# Altium PCB PCB_IC.PcbDoc (part 2 of 4) (continued)
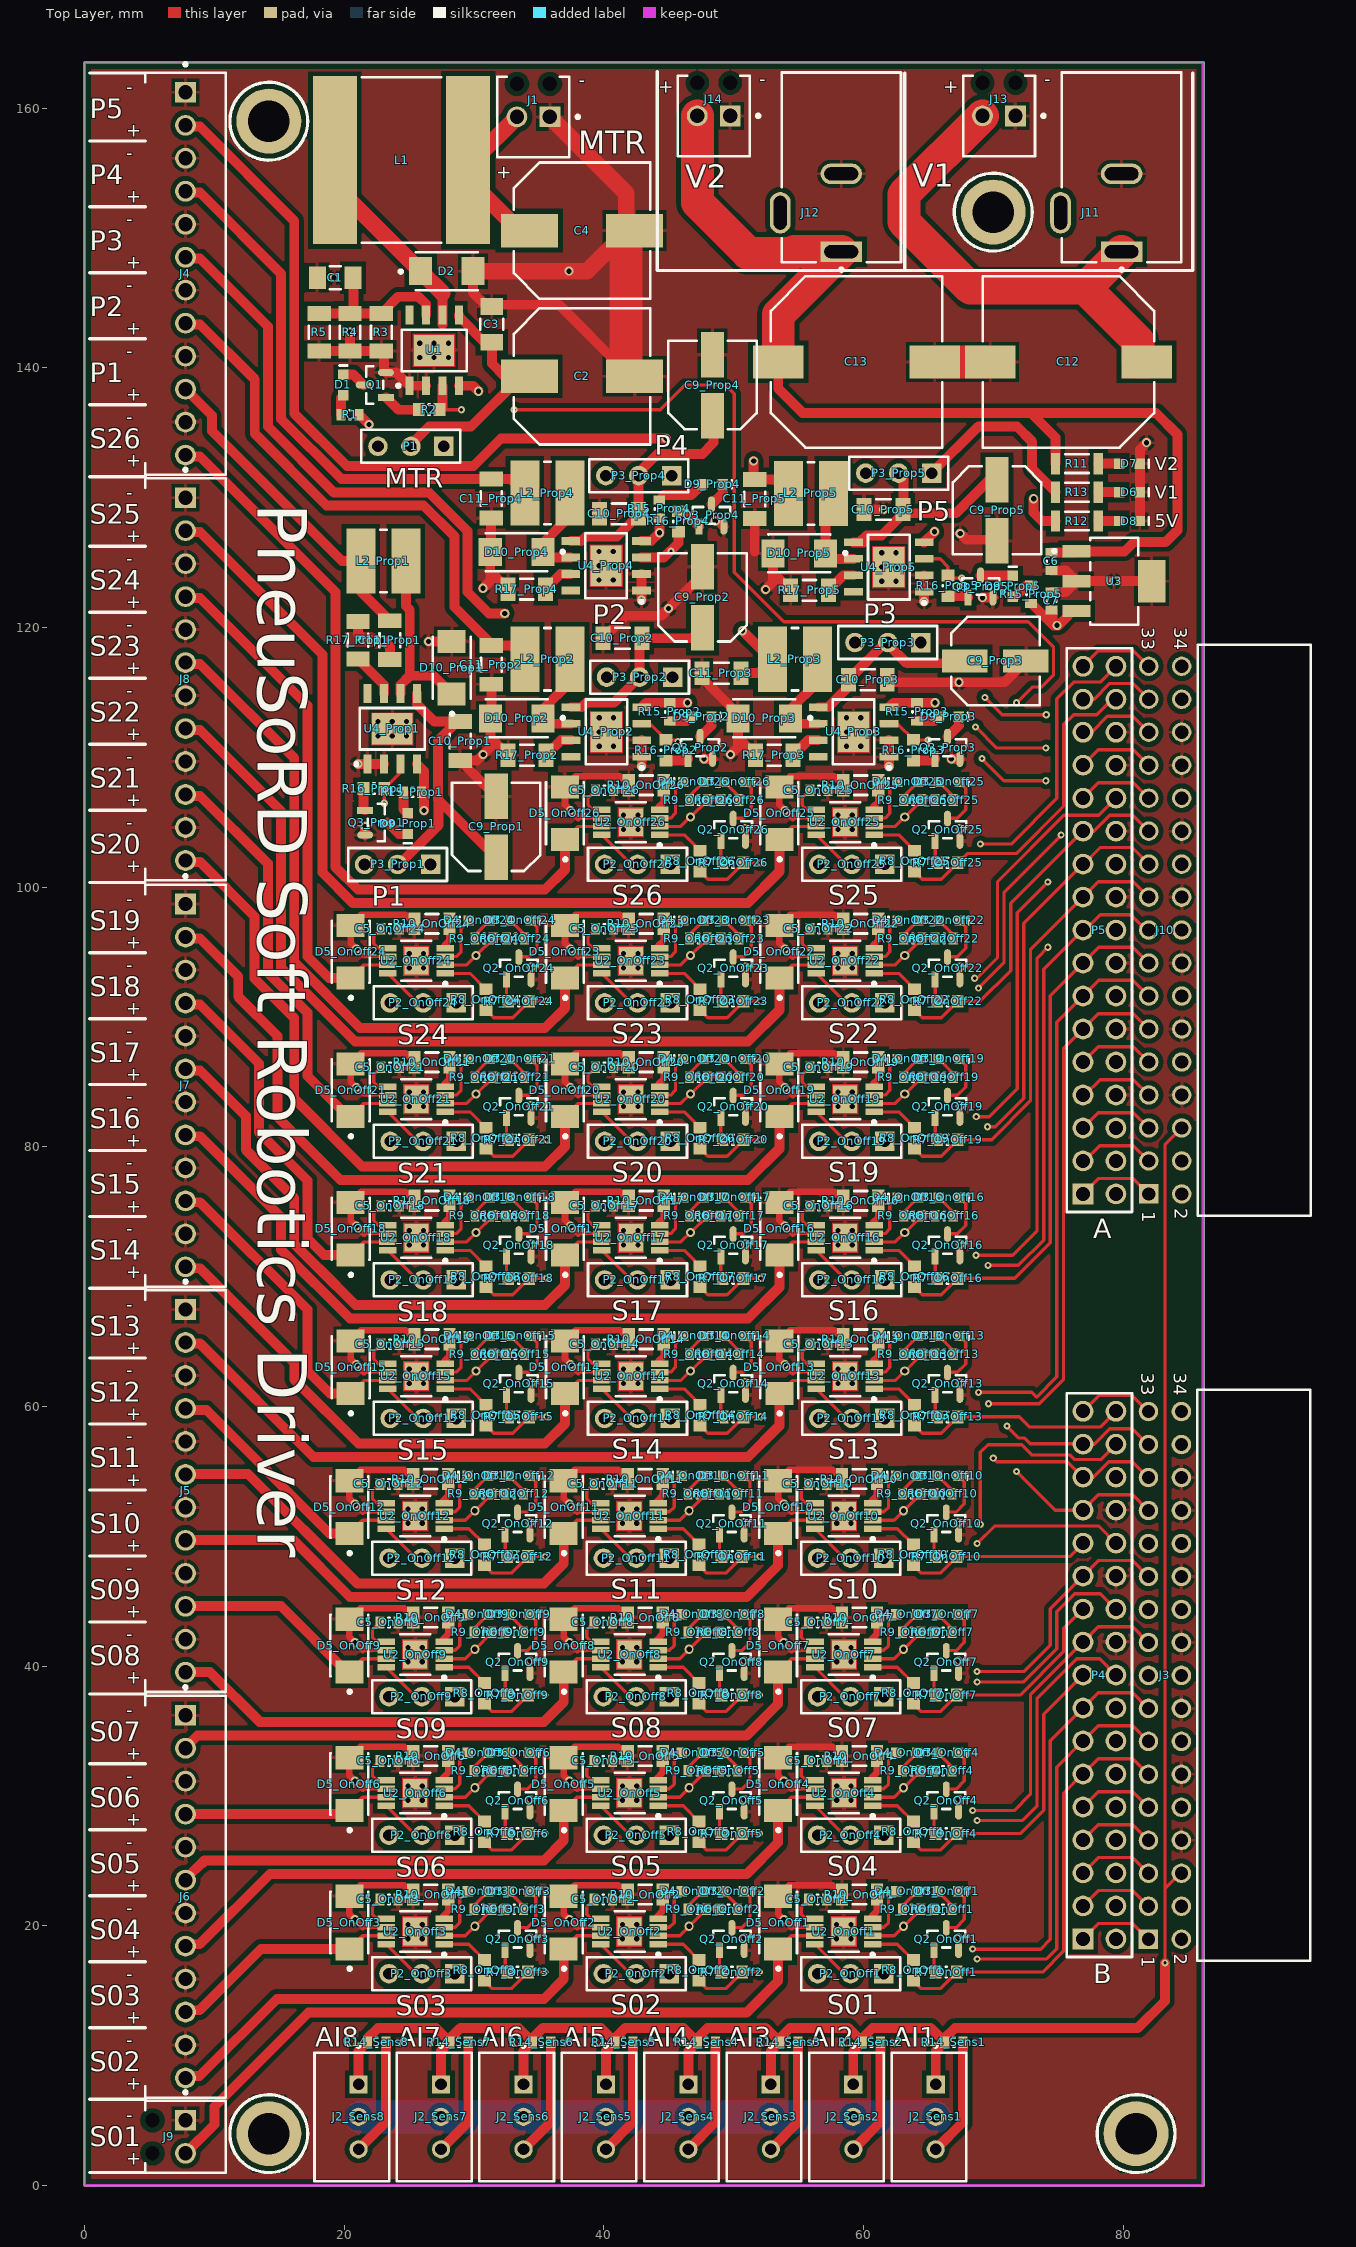
[diagram p0: Top Layer view]
## Part data (continued)
R11 R12 R13: library part R-1206, "0.25W 1206", Case-EIA=0603, Case-Metric=1608, Power="0.1 W", Tolerance="1 %", Technology=SMT
R14_Sens1 R14_Sens2 R14_Sens3 R14_Sens4 R14_Sens5 R14_Sens6 R14_Sens7 R14_Sens8: library part CMP-1012-00440-1, "249R 0.1W 1% 0603 (1608 Metric)  SMD", Case-EIA=0603, Case-Metric=1608, Power="0.1 W", Tolerance="1 %", Technology=SMT
U3: library part CMP-04917-000015-1, "IC REG LINEAR 5V 500MA SOT223-4", Dropout Voltage=2V, Manufacturer="Texas Instruments", Max Junction Temp=+125°C, Max Supply Voltage=25V, Min Supply Voltage=7V, Nominal Supply Current=4.5mA, Output Current=500mA, Output Voltage=5V, Package=DCY0004A, Temperature="0°C to +125°C", Temperature Range Low=0°C, Accuracy Percentage=3%, Automotive=No, Category=IC, ComponentLink2Description=Datasheet, ComponentLink2URL=http://www.ti.com/lit/ds/symlink/ua78m.pdf, Device Class L1="Integrated Circuits (ICs)", Device Class L2="Power Management ICs", Device Class L3="Voltage Regulators - Linear", Digikey Description="IC REG LINEAR 5V 500MA SOT223-4", Height=1.8mm, Lead Free=Yes, Manufacturer Part Number=UA78M05CDCYR, Mouser Description="Linear Voltage Regulators 5.0V 500mA Fxd Pos", Number Of Outputs=1, Octopart=https://octopart.com/ua78m05cdcyr-texas+instruments-525243, Output Type=Fixed, RoHS=TRUE, Standoff Height=0.02mm, Temperature Range High=+125°C

## Free pads (board coordinates)
  round 5 hole 3.2: 2(14.2,4) 2(14.2,159) 2(70,152) 2(81,4)

## Via types
v1: diameter 0.7, hole 0.4, Top Layer to Bottom Layer, 256 vias
v2: diameter 0.55, hole 0.25, Top Layer to Bottom Layer, 55 vias

## Nets (pads, with @x,y where several pads share a name; then routed paths per layer and width w, separated by ;. In a path a pad name is that pad's centre, name@x,y a point inside that pad or via, vN(x,y) a via of type N, cw(c..) or ccw(c..) an arc to the next point about the centre after c; other vN are vias at no path point)
+3.3V: J3.33 J10.33 P4.33 P5.33 | length 12
  Top Layer w0.254: P4.33@76.907,59.64 78.114,60.847 80.701,60.847 J3.33@81.907,59.64 ; P5.33@76.907,117.018 78.088,118.199 80.794,118.199 J10.33@81.975,117.018
+5: C7.1 J2_Sens1.2 J2_Sens2.2 J2_Sens3.2 J2_Sens4.2 J2_Sens5.2 J2_Sens6.2 J2_Sens7.2 J2_Sens8.2 R1.2 R6_OnOff1.2 R6_OnOff2.2 R6_OnOff3.2 R6_OnOff4.2 R6_OnOff5.2 R6_OnOff6.2 R6_OnOff7.2 R6_OnOff8.2 R6_OnOff9.2 R6_OnOff10.2 R6_OnOff11.2 R6_OnOff12.2 R6_OnOff13.2 R6_OnOff14.2 R6_OnOff15.2 R6_OnOff16.2 R6_OnOff17.2 R6_OnOff18.2 R6_OnOff19.2 R6_OnOff20.2 R6_OnOff21.2 R6_OnOff22.2 R6_OnOff23.2 R6_OnOff24.2 R6_OnOff25.2 R6_OnOff26.2 R9_OnOff1.2 R9_OnOff2.2 R9_OnOff3.2 R9_OnOff4.2 R9_OnOff5.2 R9_OnOff6.2 R9_OnOff7.2 R9_OnOff8.2 R9_OnOff9.2 R9_OnOff10.2 R9_OnOff11.2 R9_OnOff12.2 R9_OnOff13.2 R9_OnOff14.2 R9_OnOff15.2 R9_OnOff16.2 R9_OnOff17.2 R9_OnOff18.2 R9_OnOff19.2 R9_OnOff20.2 R9_OnOff21.2 R9_OnOff22.2 R9_OnOff23.2 R9_OnOff24.2 R9_OnOff25.2 R9_OnOff26.2 R12.2 R15_Prop1.2 R15_Prop2.2 R15_Prop3.2 R15_Prop4.2 R15_Prop5.2 U1.4 U2_OnOff1.2 U2_OnOff2.2 U2_OnOff3.2 U2_OnOff4.2 U2_OnOff5.2 U2_OnOff6.2 U2_OnOff7.2 U2_OnOff8.2 U2_OnOff9.2 U2_OnOff10.2 U2_OnOff11.2 U2_OnOff12.2 U2_OnOff13.2 U2_OnOff14.2 U2_OnOff15.2 U2_OnOff16.2 U2_OnOff17.2 U2_OnOff18.2 U2_OnOff19.2 U2_OnOff20.2 U2_OnOff21.2 U2_OnOff22.2 U2_OnOff23.2 U2_OnOff24.2 U2_OnOff25.2 U2_OnOff26.2 U3.3 U4_Prop1.4 U4_Prop2.4 U4_Prop3.4 U4_Prop4.4 U4_Prop5.4 | length 960.7
  Top Layer w0.254: U2_OnOff6.2@27.698,29.907 29.337,29.907 v1(30.068,30.638) ; U2_OnOff15.2@27.794,62.007 29.433,62.007 v1(30.164,62.738) ; U2_OnOff18.2@27.794,72.675 29.433,72.675 v1(30.164,73.406) ; U2_OnOff21.2@27.794,83.343 29.433,83.343 v1(30.164,84.074) ; U2_OnOff24.2@27.794,94.011 29.433,94.011 v1(30.164,94.742) ; v1(30.068,19.97) 29.337,19.239 ; v1(30.068,41.306) 29.337,40.575 ; v1(30.068,51.974) 29.337,51.243 ; v1@30.09,19.97 R9_OnOff3.2@31.391,21.271 R6_OnOff3.2@32.404,21.271 ; v1@30.09,30.638 R9_OnOff6.2@31.391,31.939 R6_OnOff6.2@32.404,31.939 ; v1@30.09,41.306 R9_OnOff9.2@31.391,42.607 R6_OnOff9.2@32.404,42.607 ; v1@30.09,51.974 R9_OnOff12.2@31.391,53.275 R6_OnOff12.2@32.404,53.275 ; v1@30.186,62.738 R9_OnOff15.2@31.487,64.039 R6_OnOff15.2@32.5,64.039 ; v1@30.186,73.406 R9_OnOff18.2@31.487,74.707 R6_OnOff18.2@32.5,74.707 ; v1@30.186,84.074 R9_OnOff21.2@31.487,85.375 R6_OnOff21.2@32.5,85.375 ; v1@30.186,94.742 R9_OnOff24.2@31.487,96.043 R6_OnOff24.2@32.5,96.043 ; U2_OnOff5.2@44.208,29.907 45.847,29.907 v1(46.578,30.638) ; U2_OnOff14.2@44.304,62.007 45.943,62.007 v1(46.674,62.738) ; U2_OnOff17.2@44.304,72.675 45.943,72.675 v1(46.674,73.406) ; U2_OnOff20.2@44.304,83.343 45.943,83.343 v1(46.674,84.074) ; U2_OnOff23.2@44.304,94.011 45.943,94.011 v1(46.674,94.742) ; v1(46.578,19.97) 45.847,19.239 ; v1(46.578,41.306) 45.847,40.575 ; v1(46.578,51.974) 45.847,51.243 ; v1@46.6,19.97 R9_OnOff2.2@47.901,21.271 R6_OnOff2.2@48.914,21.271 ; v1@46.6,30.638 R9_OnOff5.2@47.901,31.939 R6_OnOff5.2@48.914,31.939 ; v1@46.6,41.306 R9_OnOff8.2@47.901,42.607 R6_OnOff8.2@48.914,42.607 ; v1@46.6,51.974 R9_OnOff11.2@47.901,53.275 R6_OnOff11.2@48.914,53.275 ; v1(46.674,105.41) 45.943,104.679 ; v1@46.696,62.738 R9_OnOff14.2@47.997,64.039 R6_OnOff14.2@49.01,64.039 ; v1@46.696,73.406 R9_OnOff17.2@47.997,74.707 R6_OnOff17.2@49.01,74.707 ; v1@46.696,84.074 R9_OnOff20.2@47.997,85.375 R6_OnOff20.2@49.01,85.375 ; v1@46.696,94.742 R9_OnOff23.2@47.997,96.043 R6_OnOff23.2@49.01,96.043 ; v1@46.696,105.41 R9_OnOff26.2@47.997,106.711 R6_OnOff26.2@49.01,106.711 ; U2_OnOff4.2@60.718,29.907 62.357,29.907 v1(63.088,30.638) 63.11,30.638 R9_OnOff4.2@64.411,31.939 R6_OnOff4.2@65.424,31.939 ; U2_OnOff13.2@60.814,62.007 62.453,62.007 v1(63.184,62.738) ; U2_OnOff16.2@60.814,72.675 62.453,72.675 v1(63.184,73.406) ; U2_OnOff19.2@60.814,83.343 62.453,83.343 v1(63.184,84.074) ; U2_OnOff22.2@60.814,94.011 62.453,94.011 v1(63.184,94.742) ; v1(63.088,19.97) 62.357,19.239 ; v1(63.088,41.306) 62.357,40.575 ; v1(63.088,51.974) 62.357,51.243 ; v1@63.11,19.97 R9_OnOff1.2@64.411,21.271 R6_OnOff1.2@65.424,21.271 ; v1@63.11,41.306 R9_OnOff7.2@64.411,42.607 R6_OnOff7.2@65.424,42.607 ; v1@63.11,51.974 R9_OnOff10.2@64.411,53.275 R6_OnOff10.2@65.424,53.275 ; v1(63.184,105.41) 62.453,104.679 ; v1@63.206,62.738 R9_OnOff13.2@64.507,64.039 R6_OnOff13.2@65.52,64.039 ; v1@63.206,73.406 R9_OnOff16.2@64.507,74.707 R6_OnOff16.2@65.52,74.707 ; v1@63.206,84.074 R9_OnOff19.2@64.507,85.375 R6_OnOff19.2@65.52,85.375 ; v1@63.206,94.742 R9_OnOff22.2@64.507,96.043 R6_OnOff22.2@65.52,96.043 ; v1@63.206,105.41 R9_OnOff25.2@64.507,106.711 R6_OnOff25.2@65.52,106.711 ; 29.337,19.239 U2_OnOff3.2@27.698,19.239 29.337,19.239 ; 29.337,40.575 U2_OnOff9.2@27.698,40.575 29.337,40.575 ; 29.337,51.243 U2_OnOff12.2@27.698,51.243 29.337,51.243 ; 45.847,19.239 U2_OnOff2.2@44.208,19.239 45.847,19.239 ; 45.847,40.575 U2_OnOff8.2@44.208,40.575 45.847,40.575 ; 45.847,51.243 U2_OnOff11.2@44.208,51.243 45.847,51.243 ; 45.943,104.679 U2_OnOff26.2@44.304,104.679 45.943,104.679 ; 62.357,19.239 60.718,19.239 62.357,19.239 ; 62.357,40.575 U2_OnOff7.2@60.718,40.575 62.357,40.575 ; 62.357,51.243 U2_OnOff10.2@60.718,51.243 62.357,51.243 ; 62.453,104.679 U2_OnOff25.2@60.814,104.679 62.453,104.679
  Top Layer w0.762: R1.2@21.156,136.398 v1(21.918,135.636) ; U4_Prop1.4@25.615,109.48 26.149,108.945 v1(26.149,105.913) ; R15_Prop1.2@25.96,107.321 R15_Prop1.2@25.991,107.29 ; U1.4@28.838,138.626 29.926,138.626 v1(30.351,138.201) ; U4_Prop4.4@42.902,126.66 43.64,126.66 v1(44.281,127.301) R15_Prop4.2@44.281,128.435 ; U4_Prop2.4@42.921,113.864 43.267,114.21 R15_Prop2.2@45.08,114.21 v1(46.459,114.21) ; U4_Prop3.4@61.971,113.864 62.317,114.21 R15_Prop3.2@64.13,114.21 v1(65.509,114.21) ; U4_Prop5.4@64.679,126.565 65.465,127.351 v1(65.465,127.384) ; R15_Prop5.2@72.976,121.824 74.628,120.172 v1(74.91,120.172) ; v1(73.11,129.921) 73.11,128.848 73.752,128.206 R12.2@74.788,128.206 ; C7.1@74.477,121.347 74.515,121.347 74.546,121.316 74.546,120.536 v1(74.91,120.172) ; U3.3@76.403,121.271 75.803,121.271 75.709,121.177 75.709,120.862 75.02,120.172 v1(74.91,120.172)
  Mid 1 w0.254: 17.812,21.664 28.374,21.664 v1(30.068,19.97) 31.843,21.745 44.803,21.745 v1(46.578,19.97) 48.353,21.745 61.313,21.745 v1(63.088,19.97) ; 17.812,32.332 28.374,32.332 v1(30.068,30.638) 31.843,32.413 44.803,32.413 v1(46.578,30.638) 48.353,32.413 61.313,32.413 v1(63.088,30.638) ; 17.812,43 28.374,43 v1(30.068,41.306) 31.843,43.081 44.803,43.081 v1(46.578,41.306) 48.353,43.081 61.313,43.081 v1(63.088,41.306) ; 17.812,53.668 28.374,53.668 v1(30.068,51.974) 31.843,53.749 44.803,53.749 v1(46.578,51.974) 48.353,53.749 61.313,53.749 v1(63.088,51.974) ; 17.812,107.696 24.366,107.696 v1(26.149,105.913) 27.932,107.696 44.388,107.696 v1(46.674,105.41) 48.449,107.185 61.409,107.185 v1(63.184,105.41) ; 17.812,114.3 17.902,114.21 v1(46.459,114.21) v1(65.509,114.21) ; 17.908,64.432 28.47,64.432 v1(30.164,62.738) 31.939,64.513 44.899,64.513 v1(46.674,62.738) 48.449,64.513 61.409,64.513 v1(63.184,62.738) ; 17.908,75.1 28.47,75.1 v1(30.164,73.406) 31.939,75.181 44.899,75.181 v1(46.674,73.406) 48.449,75.181 61.409,75.181 v1(63.184,73.406) ; 17.908,85.768 28.47,85.768 v1(30.164,84.074) 31.939,85.849 44.899,85.849 v1(46.674,84.074) 48.449,85.849 61.409,85.849 v1(63.184,84.074) ; 17.908,96.436 28.47,96.436 v1(30.164,94.742) 31.939,96.517 44.899,96.517 v1(46.674,94.742) 48.449,96.517 61.409,96.517 v1(63.184,94.742)
  Mid 1 w0.762: v1(21.918,135.636) 20.608,134.327 20.608,130.031 25.838,124.801 ; 29.716,128.678 31.093,127.301 v1(44.281,127.301) ; v1(30.351,138.201) 28.724,138.201 27.786,137.263 27.786,136.255 32.54,131.502 ; v1(65.465,127.384) 69.297,131.216 70.037,131.216 ; 70.037,129.909 70.049,129.921 v1(73.11,129.921)
  Mid 1 w2.54: J2_Sens8.2@21.116,5.294 19.3,5.294 17.812,6.782 17.812,21.664 17.812,32.332 17.812,43 17.812,53.668 17.812,64.432 17.812,75.1 17.812,85.768 17.812,96.436 17.812,107.696 17.812,114.3 17.812,116.774 25.838,124.801 29.716,128.678 32.54,131.502 37.69,136.652 66.251,136.652 70.037,132.867 70.037,131.216 70.037,129.909 70.037,124.866 74.731,120.172 v1(74.91,120.172)
  Bottom Layer w2.54: J2_Sens8.2@21.281,5.294 J2_Sens7.2@27.466,5.294 J2_Sens6.2@33.816,5.294 J2_Sens5.2@40.166,5.294 J2_Sens4.2@46.516,5.294 J2_Sens3.2@52.866,5.294 J2_Sens2.2@59.216,5.294 J2_Sens1.2@65.566,5.294
+5V: J3.1 J10.1 P4.1 P5.1 | length 12
  Top Layer w0.254: P4.1@76.907,19 78.088,20.181 80.726,20.181 J3.1@81.907,19 ; P5.1@76.907,76.378 78.088,77.559 80.794,77.559 J10.1@81.975,76.378
+12: C12.1 J11.1 J13.2 P1.1 P2_OnOff1.1 P2_OnOff2.1 P2_OnOff3.1 P2_OnOff4.1 P2_OnOff5.1 P2_OnOff6.1 P2_OnOff7.1 P2_OnOff8.1 P2_OnOff9.1 P2_OnOff10.1 P2_OnOff11.1 P2_OnOff12.1 P2_OnOff13.1 P2_OnOff14.1 P2_OnOff15.1 P2_OnOff16.1 P2_OnOff17.1 P2_OnOff18.1 P2_OnOff19.1 P2_OnOff20.1 P2_OnOff21.1 P2_OnOff22.1 P2_OnOff23.1 P2_OnOff24.1 P2_OnOff25.1 P2_OnOff26.1 P3_Prop1.1 P3_Prop2.1 P3_Prop3.1 P3_Prop4.1 P3_Prop5.1 R13.2 | length 53.1
  Top Layer w0.762: P3_Prop5.1@65.254,131.891 68.847,135.484 71.824,135.484 72.997,134.311 72.997,132.22 R13.2@74.788,130.429
  Top Layer w2.54: J13.2@69.173,159.41 63.121,153.359 63.121,151.254 68.238,146.137 77.073,146.137 ; J11.1@79.883,148.948 77.073,146.137 ; C12.1@81.812,140.462 81.137,140.462 81.132,140.467 81.132,142.078 77.073,146.137
+24: C6.2 C13.1 J12.1 J14.2 P1.3 P2_OnOff1.3 P2_OnOff2.3 P2_OnOff3.3 P2_OnOff4.3 P2_OnOff5.3 P2_OnOff6.3 P2_OnOff7.3 P2_OnOff8.3 P2_OnOff9.3 P2_OnOff10.3 P2_OnOff11.3 P2_OnOff12.3 P2_OnOff13.3 P2_OnOff14.3 P2_OnOff15.3 P2_OnOff16.3 P2_OnOff17.3 P2_OnOff18.3 P2_OnOff19.3 P2_OnOff20.3 P2_OnOff21.3 P2_OnOff22.3 P2_OnOff23.3 P2_OnOff24.3 P2_OnOff25.3 P2_OnOff26.3 P3_Prop1.3 P3_Prop2.3 P3_Prop3.3 P3_Prop4.3 P3_Prop5.3 R11.2 U3.1 | length 86.7
  Top Layer w0.762: C13.1@53.439,140.462 53.439,138.406 55.32,136.524 72.894,136.524 ; C6.2@74.477,125.795 76.327,125.795 U3.1@76.403,125.871 80.109,125.871 80.829,126.591 83.281,126.591 84.174,127.484 84.174,134.886 82.536,136.524 72.894,136.524 ; R11.2@74.788,132.626 74.788,134.631 72.894,136.524
  Top Layer w2.54: J14.2@47.202,159.41 47.202,152.743 51.121,148.824 54.556,148.824 54.68,148.948 J12.1@58.293,148.948 53.439,144.094 C13.1@53.439,140.462
AGND: J2_Sens1.1 J2_Sens2.1 J2_Sens3.1 J2_Sens4.1 J2_Sens5.1 J2_Sens6.1 J2_Sens7.1 J2_Sens8.1 J3.6 J10.6 P4.6 P5.6 R14_Sens1.2 R14_Sens2.2 R14_Sens3.2 R14_Sens4.2 R14_Sens5.2 R14_Sens6.2 R14_Sens7.2 R14_Sens8.2 | length 180.3
  Top Layer w0.254: v2(83.219,17.153) 83.219,22.852 ; J3.6@84.447,24.08 83.219,22.852 ; J10.6@84.515,81.458 83.219,80.162 83.219,22.852
  Top Layer w0.762: J2_Sens8.1@21.116,7.794 21.116,10.352 R14_Sens8.2@21.813,11.049 21.813,11.347 22.6,12.134 27.078,12.134 R14_Sens7.2@28.163,11.049 ; J2_Sens7.1@27.466,7.794 27.466,10.352 R14_Sens7.2@28.163,11.049 ; J2_Sens6.1@33.816,7.794 33.816,10.352 R14_Sens6.2@34.513,11.049 ; J2_Sens5.1@40.166,7.794 40.166,10.352 R14_Sens5.2@40.863,11.049 ; J2_Sens4.1@46.516,7.794 46.516,10.352 R14_Sens4.2@47.213,11.049 ; J2_Sens3.1@52.866,7.794 52.866,10.352 R14_Sens3.2@53.563,11.049 ; J2_Sens2.1@59.216,7.794 59.216,10.352 R14_Sens2.2@59.913,11.049 ; J2_Sens1.1@65.566,7.794 65.566,10.352 R14_Sens1.2@66.263,11.049 65.178,12.134 60.7,12.134 59.913,11.347 R14_Sens2.2@59.913,11.049 ; R14_Sens1.2@66.263,11.347 67.05,12.134 81.129,12.134 83.219,14.224 v2(83.219,17.153) ; R14_Sens7.2@28.163,11.049 28.163,11.347 28.95,12.134 33.428,12.134 R14_Sens6.2@34.513,11.049 ; R14_Sens6.2@34.513,11.049 34.513,11.347 35.3,12.134 39.778,12.134 R14_Sens5.2@40.863,11.049 ; R14_Sens5.2@40.863,11.049 40.863,11.347 41.65,12.134 46.128,12.134 R14_Sens4.2@47.213,11.049 ; R14_Sens4.2@47.213,11.049 47.213,11.347 48,12.134 52.478,12.134 R14_Sens3.2@53.563,11.049 ; R14_Sens3.2@53.563,11.049 53.563,11.347 54.35,12.134 58.828,12.134 R14_Sens2.2@59.913,11.049
  Mid 1 w0.254: P4.6@79.447,24.08 80.86,22.668 83.035,22.668 J3.6@84.447,24.08 ; P5.6@79.447,81.458 80.794,80.111 83.168,80.111 J10.6@84.515,81.458
AI1: J2_Sens1.3 J3.3 P4.3 R14_Sens1.1 | length 39.7
  Top Layer w0.254: P4.3@76.907,21.54 78.088,22.721 80.726,22.721 J3.3@81.907,21.54
  Top Layer w0.762: J2_Sens1.3@65.566,2.794 67.663,4.891 R14_Sens1.1@67.663,11.049
  Mid 1 w0.254: J2_Sens1.3@65.566,2.794 67.471,2.794 75.404,10.727 75.404,20.037 P4.3@76.907,21.54
AI2: J2_Sens2.3 J3.5 P4.5 R14_Sens2.1 | length 48.1
  Top Layer w0.254: P4.5@76.907,24.08 78.088,25.261 80.726,25.261 J3.5@81.907,24.08
  Top Layer w0.762: J2_Sens2.3@59.216,2.794 61.313,4.891 R14_Sens2.1@61.313,11.049
  Mid 1 w0.254: J2_Sens2.3@59.216,2.794 60.451,4.029 67.962,4.029 74.896,10.963 74.896,22.069 P4.5@76.907,24.08
AI3: J2_Sens3.3 J3.7 P4.7 R14_Sens3.1 | length 56.9
  Top Layer w0.254: P4.7@76.907,26.62 78.088,27.801 80.726,27.801 J3.7@81.907,26.62
  Top Layer w0.762: J2_Sens3.3@52.866,2.794 54.963,4.891 R14_Sens3.1@54.963,11.049
  Mid 1 w0.254: J2_Sens3.3@52.866,2.794 53.082,3.01 53.082,3.599 58.359,8.875 59.448,8.875 59.463,8.89 72.105,8.89 74.388,11.173 74.388,24.101 P4.7@76.907,26.62
AI4: J2_Sens4.3 J3.9 P4.9 R14_Sens4.1 | length 65.4
  Top Layer w0.254: P4.9@76.907,29.16 78.088,30.341 80.726,30.341 J3.9@81.907,29.16
  Top Layer w0.762: J2_Sens4.3@46.516,2.794 48.613,4.891 R14_Sens4.1@48.613,11.049
  Mid 1 w0.254: J2_Sens4.3@46.516,2.794 46.732,3.01 46.732,3.599 52.532,9.398 71.895,9.398 73.88,11.384 73.88,25.992 76.907,29.019 P4.9@76.907,29.16
AI5: J2_Sens5.3 J10.3 P5.3 R14_Sens5.1 | length 121.2
  Top Layer w0.254: P5.3@76.907,78.918 77.004,78.918 78.185,80.099 80.794,80.099 J10.3@81.975,78.918
  Top Layer w0.762: J2_Sens5.3@40.166,2.794 42.263,4.891 R14_Sens5.1@42.263,11.049
  Mid 1 w0.254: J2_Sens5.3@40.166,2.794 40.382,3.01 40.382,3.599 46.69,9.906 71.684,9.906 73.372,11.594 73.372,26.203 75.384,28.214 75.384,77.394 P5.3@76.907,78.918
AI6: J2_Sens6.3 J10.5 P5.5 R14_Sens6.1 | length 129.6
  Top Layer w0.254: P5.5@76.907,81.458 78.088,82.639 80.794,82.639 J10.5@81.975,81.458
  Top Layer w0.762: J2_Sens6.3@33.816,2.794 35.913,4.891 R14_Sens6.1@35.913,11.049
  Mid 1 w0.254: J2_Sens6.3@33.816,2.794 34.032,3.01 34.032,3.599 40.848,10.414 71.474,10.414 72.864,11.805 72.864,26.413 74.876,28.425 74.876,79.144 76.907,81.175 P5.5@76.907,81.458
AI7: J2_Sens7.3 J10.7 P5.7 R14_Sens7.1 | length 138.1
  Top Layer w0.254: P5.7@76.907,83.998 76.907,84.037 77.086,84.037 78.228,85.179 80.794,85.179 J10.7@81.975,83.998
  Top Layer w0.762: J2_Sens7.3@27.466,2.794 29.563,4.891 R14_Sens7.1@29.563,11.049
  Mid 1 w0.254: J2_Sens7.3@27.466,2.794 27.682,3.01 27.682,3.599 35.006,10.922 71.263,10.922 72.356,12.015 72.356,26.624 74.368,28.635 74.368,81.458 P5.7@76.907,83.998
AI8: J2_Sens8.3 J10.9 P5.9 R14_Sens8.1 | length 147.7
  Top Layer w0.254: P5.9@76.907,86.538 78.088,87.719 80.794,87.719 J10.9@81.975,86.538
  Top Layer w0.762: J2_Sens8.3@21.116,2.794 23.213,4.891 R14_Sens8.1@23.213,11.049
  Mid 1 w0.254: J2_Sens8.3@21.116,2.794 23.566,5.244 23.566,7.744 27.252,11.43 71.053,11.43 71.848,12.226 71.848,26.834 73.86,28.846 73.86,83.49 P5.9@76.907,86.538
AO0: J3.2 P4.2 | length 6
  Mid 1 w0.254: P4.2@79.447,19 80.654,17.793 83.241,17.793 J3.2@84.447,19
AO1: J3.4 P4.4 | length 6.1
  Mid 1 w0.254: P4.4@79.447,21.54 80.726,20.261 83.168,20.261 J3.4@84.447,21.54
AO2: J10.2 P5.2 | length 6.1
  Mid 1 w0.254: P5.2@79.447,76.378 80.687,75.138 83.275,75.138 J10.2@84.515,76.378
AO3: J10.4 P5.4 | length 6.2
  Mid 1 w0.254: P5.4@79.447,78.918 80.794,77.571 83.168,77.571 J10.4@84.515,78.918
DIO1: J3.11 P4.11 R7_OnOff1.1 R8_OnOff1.1 | length 33.3
  Top Layer w0.254: R8_OnOff1.1@63.838,15.772 64.435,15.175 65.908,15.175 R7_OnOff1.1@67.178,16.445 73.811,16.445 75.404,18.038 75.404,30.197 P4.11@76.907,31.7 78.088,32.881 80.726,32.881 J3.11@81.907,31.7
DIO2: J3.13 P4.13 R7_OnOff2.1 R8_OnOff2.1 | length 51.9
  Top Layer w0.254: R8_OnOff2.1@47.328,15.772 47.925,15.175 49.398,15.175 R7_OnOff2.1@50.668,16.445 v2(51.996,16.445) ; v2(68.759,17.455) 74.103,17.455 74.896,18.249 74.896,32.229 P4.13@76.907,34.24 78.088,35.421 80.726,35.421 J3.13@81.907,34.24
  Mid 1 w0.254: v2(51.996,16.445) 53.006,17.455 v2(68.759,17.455)
DIO3: J3.15 P4.15 R7_OnOff3.1 R8_OnOff3.1 | length 70.2
  Top Layer w0.254: R8_OnOff3.1@30.818,15.772 31.415,15.175 32.888,15.175 R7_OnOff3.1@34.158,16.445 v2(35.486,16.445) ; v2(68.411,18.212) 73.644,18.212 74.388,18.956 74.388,34.261 P4.15@76.907,36.78 78.088,37.961 80.726,37.961 J3.15@81.907,36.78
  Mid 1 w0.254: v2(35.486,16.445) 37.05,18.009 59.665,18.009 59.868,18.212 v2(68.411,18.212)
DIO4: J3.17 P4.17 R7_OnOff4.1 R8_OnOff4.1 | length 29.3
  Top Layer w0.254: R8_OnOff4.1@63.838,26.44 64.435,25.843 65.908,25.843 R7_OnOff4.1@67.178,27.113 72.071,27.113 73.88,28.922 73.88,36.293 P4.17@76.907,39.32
  Mid 1 w0.254: P4.17@76.907,39.32 78.266,37.961 80.548,37.961 J3.17@81.907,39.32
DIO5: J3.18 P4.18 R7_OnOff5.1 R8_OnOff5.1 | length 49.8
  Top Layer w0.254: R8_OnOff5.1@47.328,26.44 47.925,25.843 49.398,25.843 R7_OnOff5.1@50.668,27.113 v2(51.996,27.113) ; v2(68.759,28.123) 72.254,28.123 73.372,29.242 73.372,37.524 76.423,40.575 78.192,40.575 P4.18@79.447,39.32
  Mid 1 w0.254: v2(51.996,27.113) 53.006,28.123 v2(68.759,28.123) ; P4.18@79.447,39.32 80.64,40.513 83.254,40.513 J3.18@84.447,39.32
DIO6: J3.19 P4.19 R7_OnOff6.1 R8_OnOff6.1 | length 63.4
  Top Layer w0.254: R8_OnOff6.1@30.818,26.44 31.415,25.843 32.888,25.843 R7_OnOff6.1@34.158,27.113 v2(35.486,27.113) ; v2(68.411,28.88) 71.601,28.88 72.864,30.144 72.864,37.817 P4.19@76.907,41.86 78.088,43.041 80.726,43.041 J3.19@81.907,41.86
  Mid 1 w0.254: v2(35.486,27.113) 37.05,28.677 59.665,28.677 59.868,28.88 v2(68.411,28.88)
DIO7: J3.21 P4.21 R7_OnOff7.1 R8_OnOff7.1 | length 23.6
  Top Layer w0.254: R8_OnOff7.1@63.838,37.108 64.435,36.511 65.908,36.511 R7_OnOff7.1@67.178,37.781 72.062,37.781 75.404,41.124 75.404,42.897 P4.21@76.907,44.4
  Mid 1 w0.254: P4.21@76.907,44.4 77.061,44.4 78.254,45.593 80.714,45.593 J3.21@81.907,44.4
DIO8: J3.22 P4.22 R7_OnOff8.1 R8_OnOff8.1 | length 44.4
  Top Layer w0.254: R8_OnOff8.1@47.328,37.108 47.925,36.511 49.398,36.511 R7_OnOff8.1@50.668,37.781 v2(51.996,37.781) ; v2(68.759,38.791) 72.354,38.791 74.896,41.334 74.896,44.211 76.279,45.593 78.254,45.593 P4.22@79.447,44.4
  Mid 1 w0.254: v2(51.996,37.781) 53.006,38.791 v2(68.759,38.791) ; P4.22@79.447,44.4 80.726,43.121 83.168,43.121 J3.22@84.447,44.4
DIO9: J3.23 P4.23 R7_OnOff9.1 R8_OnOff9.1 | length 58.3
  Top Layer w0.254: R8_OnOff9.1@30.818,37.108 31.415,36.511 32.888,36.511 R7_OnOff9.1@34.158,37.781 v2(35.486,37.781) ; v2(68.741,39.597) 72.381,39.597 74.388,41.604 74.388,44.421 P4.23@76.907,46.94 78.114,48.147 80.701,48.147 J3.23@81.907,46.94
  Mid 1 w0.254: v2(35.486,37.781) 37.05,39.345 59.665,39.345 59.917,39.597 v2(68.741,39.597)
DIO10: J3.25 P4.25 R7_OnOff10.1 R8_OnOff10.1 | length 20.3
  Top Layer w0.254: R8_OnOff10.1@63.838,47.776 64.435,47.179 65.908,47.179 R7_OnOff10.1@67.178,48.449 75.876,48.449 P4.25@76.907,49.48
  Mid 1 w0.254: P4.25@76.907,49.48 78.127,50.7 80.687,50.7 J3.25@81.907,49.48
DIO11: J3.26 P4.26 R7_OnOff11.1 R8_OnOff11.1 | length 40.6
  Top Layer w0.254: R8_OnOff11.1@47.328,47.776 47.925,47.179 49.398,47.179 R7_OnOff11.1@50.668,48.449 v2(51.996,48.449) ; v2(68.759,49.459) 70.1,50.8 78.127,50.8 P4.26@79.447,49.48
  Mid 1 w0.254: v2(51.996,48.449) 53.006,49.459 v2(68.759,49.459) ; P4.26@79.447,49.48 79.447,49.4 80.701,48.147 83.114,48.147 J3.26@84.447,49.48
DIO12: J3.32 P4.32 R7_OnOff12.1 R8_OnOff12.1 | length 63.3
  Top Layer w0.254: R8_OnOff12.1@30.818,47.776 31.415,47.179 32.888,47.179 R7_OnOff12.1@34.158,48.449 v2(35.486,48.449) ; v2(68.995,50.927) 68.995,56.47 69.592,57.067 72.195,57.067 73.001,56.261 75.925,56.261 76.267,55.919 78.266,55.919 P4.32@79.447,57.1
  Mid 1 w0.254: v2(35.486,48.449) 37.05,50.013 59.665,50.013 59.989,50.337 68.405,50.337 v2(68.995,50.927) ; P4.32@79.447,57.1 79.447,57.02 80.714,55.753 83.1,55.753 J3.32@84.447,57.1
DIO13: J3.34 P4.34 R7_OnOff13.1 R8_OnOff13.1 | length 21.4
  Top Layer w0.254: R8_OnOff13.1@63.934,58.54 64.531,57.943 66.004,57.943 R7_OnOff13.1@67.274,59.213 72.012,59.213 72.805,58.42 78.227,58.42 P4.34@79.447,59.64
  Mid 1 w0.254: P4.34@79.447,59.64 79.447,59.56 80.714,58.293 83.1,58.293
DIO14: J10.11 P5.11 R7_OnOff14.1 R8_OnOff14.1 | length 63.6
  Top Layer w0.254: R8_OnOff14.1@47.424,58.54 48.021,57.943 49.494,57.943 R7_OnOff14.1@50.764,59.213 v2(52.092,59.213) ; v2(69.625,60.217) 73.547,60.217 75.404,62.074 75.404,87.575 P5.11@76.907,89.078 78.088,90.259 80.794,90.259 J10.11@81.975,89.078
  Mid 1 w0.254: v2(52.092,59.213) 53.102,60.223 53.109,60.217 v2(69.625,60.217)
DIO15: J10.13 P5.13 R7_OnOff15.1 R8_OnOff15.1 | length 82.6
  Top Layer w0.254: R8_OnOff15.1@30.914,58.54 31.511,57.943 32.984,57.943 R7_OnOff15.1@34.254,59.213 v2(35.582,59.213) ; v2(68.855,61.095) 72.98,61.095 73.343,60.731 74.896,62.285 74.896,89.607 P5.13@76.907,91.618 78.127,92.837 80.756,92.837 J10.13@81.975,91.618
  Mid 1 w0.254: v2(35.582,59.213) 37.151,60.782 59.767,60.782 60.079,61.095 v2(68.855,61.095)
DIO16: J10.15 P5.15 R7_OnOff16.1 R8_OnOff16.1 | length 41
  Top Layer w0.254: R8_OnOff16.1@63.934,69.208 64.531,68.611 66.004,68.611 R7_OnOff16.1@67.274,69.881 71.656,69.881 74.388,72.613 74.388,91.639 P5.15@76.907,94.158 78.127,95.377 80.756,95.377 J10.15@81.975,94.158
DIO17: J10.17 P5.17 R7_OnOff17.1 R8_OnOff17.1 | length 59.7
  Top Layer w0.254: R8_OnOff17.1@47.424,69.208 48.021,68.611 49.494,68.611 R7_OnOff17.1@50.764,69.881 v2(52.092,69.881) ; v2(69.6,70.875) 71.932,70.875 73.88,72.823 73.88,93.671 P5.17@76.907,96.698 76.907,96.832 77.209,96.832 78.255,97.879 80.591,97.879 81.772,96.698 J10.17@81.975,96.698
  Mid 1 w0.254: v2(52.092,69.881) 53.102,70.891 53.109,70.885 69.59,70.885 v2(69.6,70.875)
DIO18: J10.18 P5.18 R7_OnOff18.1 R8_OnOff18.1 | length 78.9
  Top Layer w0.254: R8_OnOff18.1@30.914,69.208 31.511,68.611 32.984,68.611 R7_OnOff18.1@34.254,69.881 v2(35.582,69.881) ; v2(68.665,71.653) 71.484,71.653 73.372,73.542 73.372,94.547 v2(74.202,95.377)
  Mid 1 w0.254: v2(35.582,69.881) 37.151,71.45 59.767,71.45 59.97,71.653 v2(68.665,71.653) ; v2(74.202,95.377) 78.127,95.377 P5.18@79.447,96.698 80.756,95.39 83.207,95.39 J10.18@84.515,96.698
DIO19: J10.19 P5.19 R7_OnOff19.1 R8_OnOff19.1 | length 34.4
  Top Layer w0.254: R8_OnOff19.1@63.934,79.876 64.531,79.279 66.004,79.279 R7_OnOff19.1@67.274,80.549 69.878,80.549 72.864,83.535 72.864,95.195 P5.19@76.907,99.238 78.088,100.419 80.794,100.419 J10.19@81.975,99.238
DIO20: J10.21 P5.21 R7_OnOff20.1 R8_OnOff20.1 | length 53.1
  Top Layer w0.254: R8_OnOff20.1@47.424,79.876 48.021,79.279 49.494,79.279 R7_OnOff20.1@50.764,80.549 v2(52.092,80.549) ; v2(69.548,81.553) 70.164,81.553 72.356,83.745 72.356,97.227 P5.21@76.907,101.778 76.953,101.778 78.235,103.059 80.693,103.059 J10.21@81.975,101.778
  Mid 1 w0.254: v2(52.092,80.549) 53.102,81.559 53.109,81.553 v2(69.548,81.553)
DIO21: J10.22 P5.22 R7_OnOff21.1 R8_OnOff21.1 | length 72.2
  Top Layer w0.254: R8_OnOff21.1@30.914,79.876 31.511,79.279 32.984,79.279 R7_OnOff21.1@34.254,80.549 v2(35.582,80.549) ; v2(68.691,82.329) 69.698,82.329 71.848,84.48 71.848,98.044 v2(74.202,100.398)
  Mid 1 w0.254: v2(35.582,80.549) 37.151,82.118 59.767,82.118 59.978,82.329 v2(68.691,82.329) ; v2(74.202,100.398) 74.223,100.419 78.088,100.419 P5.22@79.447,101.778 80.794,100.431 83.168,100.431 J10.22@84.515,101.778
DIO22: J10.23 P5.23 R7_OnOff22.1 R8_OnOff22.1 | length 28.3
  Top Layer w0.254: R8_OnOff22.1@63.934,90.544 64.531,89.947 66.004,89.947 R7_OnOff22.1@67.274,91.217 68.976,91.217 71.34,93.582 71.34,98.751 P5.23@76.907,104.318 77.743,104.318 78.98,105.554 80.739,105.554 J10.23@81.975,104.318
DIO23: J10.25 P5.25 R7_OnOff23.1 R8_OnOff23.1 | length 46.6
  Top Layer w0.254: R8_OnOff23.1@47.424,90.544 48.021,89.947 49.494,89.947 R7_OnOff23.1@50.764,91.217 v2(52.092,91.217) ; v2(68.855,92.227) 70.832,94.205 70.832,99.617 v2(75.228,104.013) ; P5.25@76.907,106.858 78.088,108.039 80.794,108.039 J10.25@81.975,106.858
  Mid 1 w0.254: v2(52.092,91.217) 53.102,92.227 v2(68.855,92.227) ; v2(75.228,104.013) 75.228,105.179 P5.25@76.907,106.858
DIO24: J10.26 P5.26 R7_OnOff24.1 R8_OnOff24.1 | length 65.3
  Top Layer w0.254: R8_OnOff24.1@30.914,90.544 31.511,89.947 32.984,89.947 R7_OnOff24.1@34.254,91.217 v2(35.582,91.217) ; v2(68.564,92.989) 68.746,92.989 70.324,94.568 70.324,100.419 75.443,105.537 78.127,105.537 P5.26@79.447,106.858
  Mid 1 w0.254: v2(35.582,91.217) 37.151,92.786 59.767,92.786 59.97,92.989 v2(68.564,92.989) ; P5.26@79.447,106.858 80.739,105.567 83.224,105.567 J10.26@84.515,106.858
DIO25: J10.32 P5.32 R7_OnOff25.1 R8_OnOff25.1 | length 31.3
  Top Layer w0.254: R8_OnOff25.1@63.934,101.212 64.531,100.615 66.004,100.615 R7_OnOff25.1@67.274,101.885 67.982,102.593 71.78,102.593 75.404,106.217 75.404,112.505 76.184,113.284 77.982,113.284 79.175,114.478 P5.32@79.447,114.478
  Mid 1 w0.254: P5.32@79.447,114.478 80.756,113.17 83.207,113.17 J10.32@84.515,114.478
DIO26: J10.34 P5.34 R7_OnOff26.1 R8_OnOff26.1 | length 49.7
  Top Layer w0.254: R8_OnOff26.1@47.424,101.212 48.021,100.615 49.494,100.615 R7_OnOff26.1@50.764,101.885 v2(52.092,101.885) ; v2(69.005,103.327) 71.39,103.327 74.896,106.834 74.896,114.5 76.194,115.798 78.228,115.798 P5.34@79.447,117.018
  Mid 1 w0.254: v2(52.092,101.885) 53.331,103.124 53.534,103.327 v2(69.005,103.327) ; P5.34@79.447,117.018 80.756,115.71 83.207,115.71 J10.34@84.515,117.018